# Altium PCB GATE_DRIVER_BOARD.PcbDoc
Units mm, origin at the board's own origin, x right, y up, seen from the top; angles counter-clockwise.
Board outline 75 x 80 mm, 2 copper layers (Top Layer, Bottom Layer), stack 0.871 mm thick; 67 components, 42 nets, 182 pads, 18 vias.
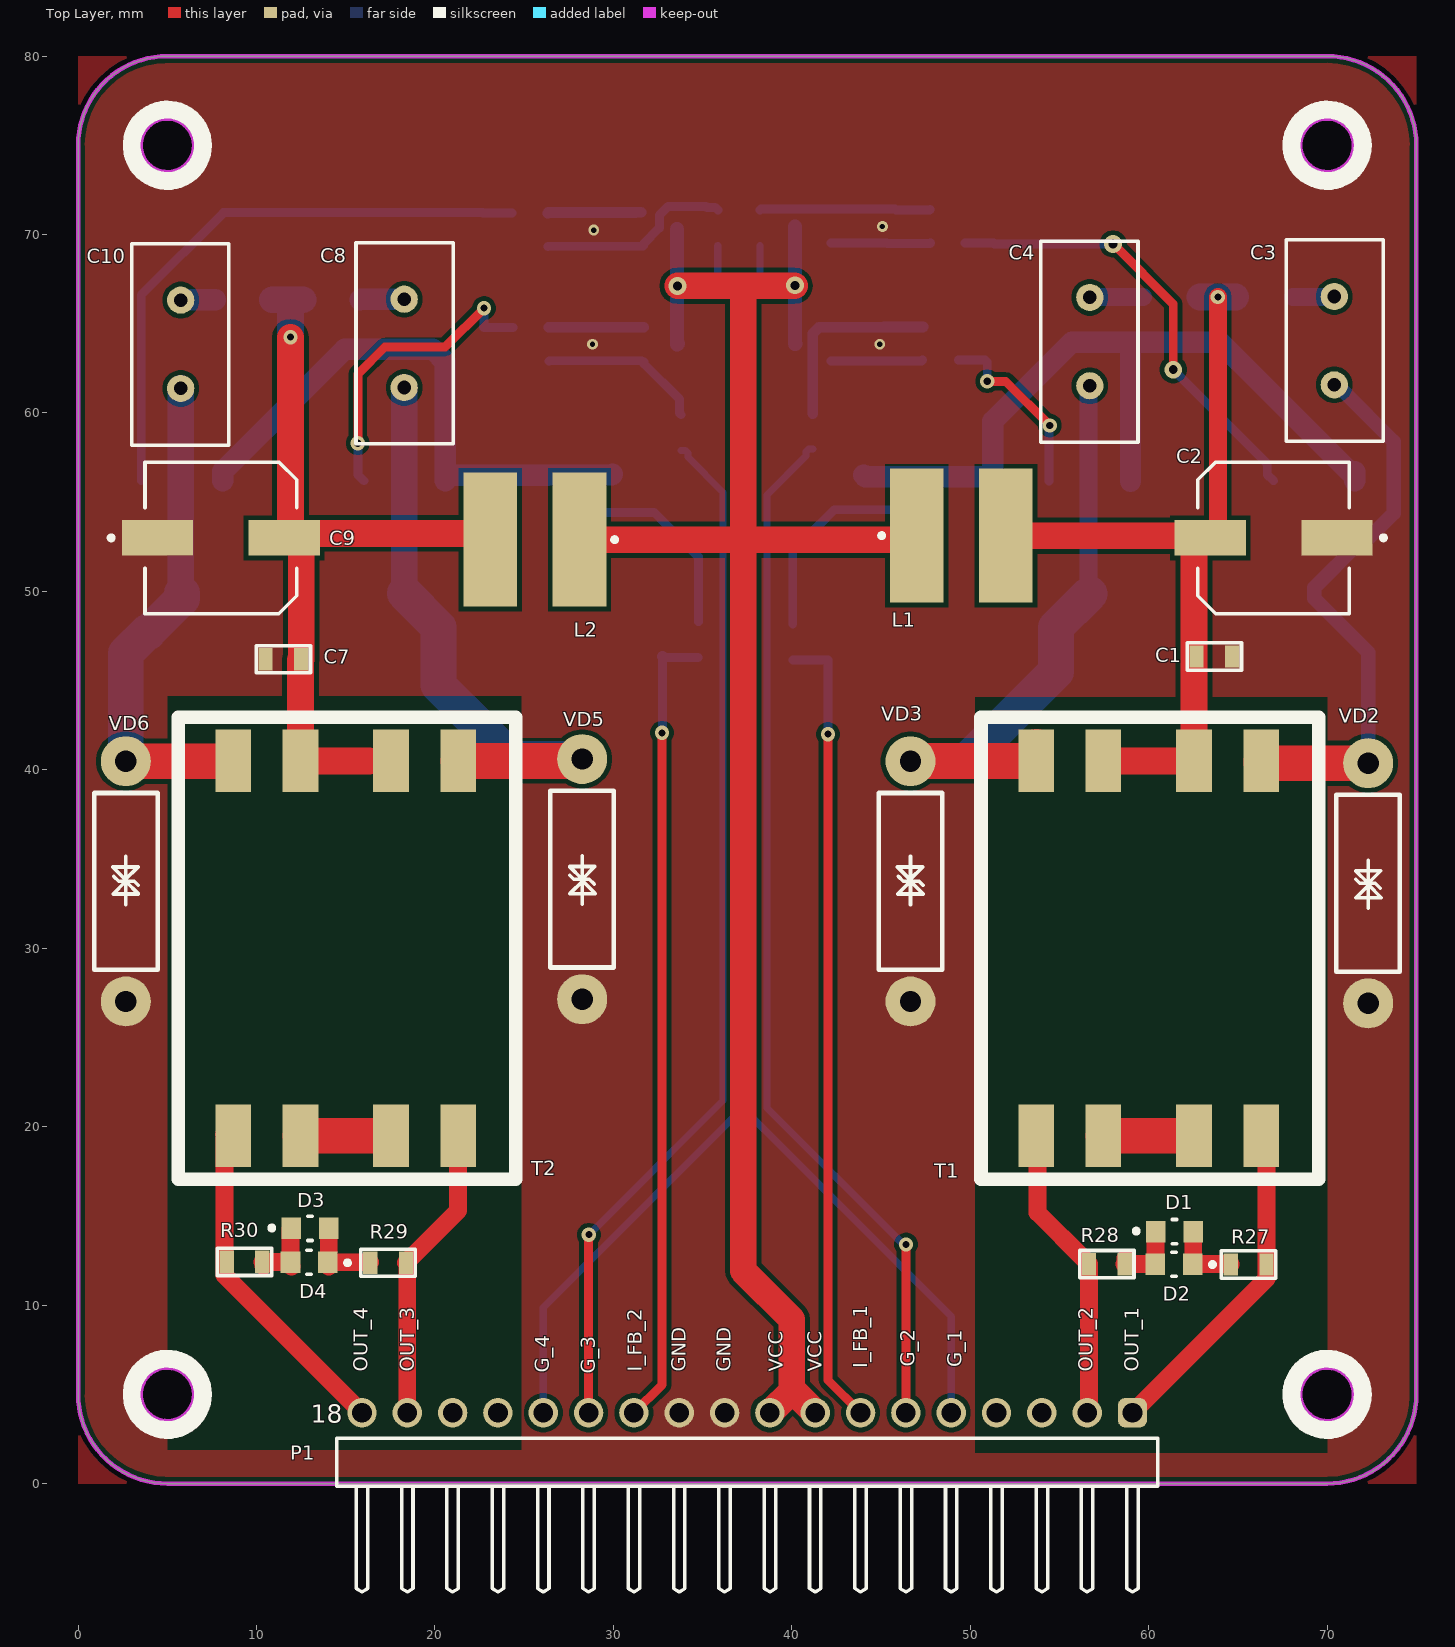
[diagram p0: Top Layer view]
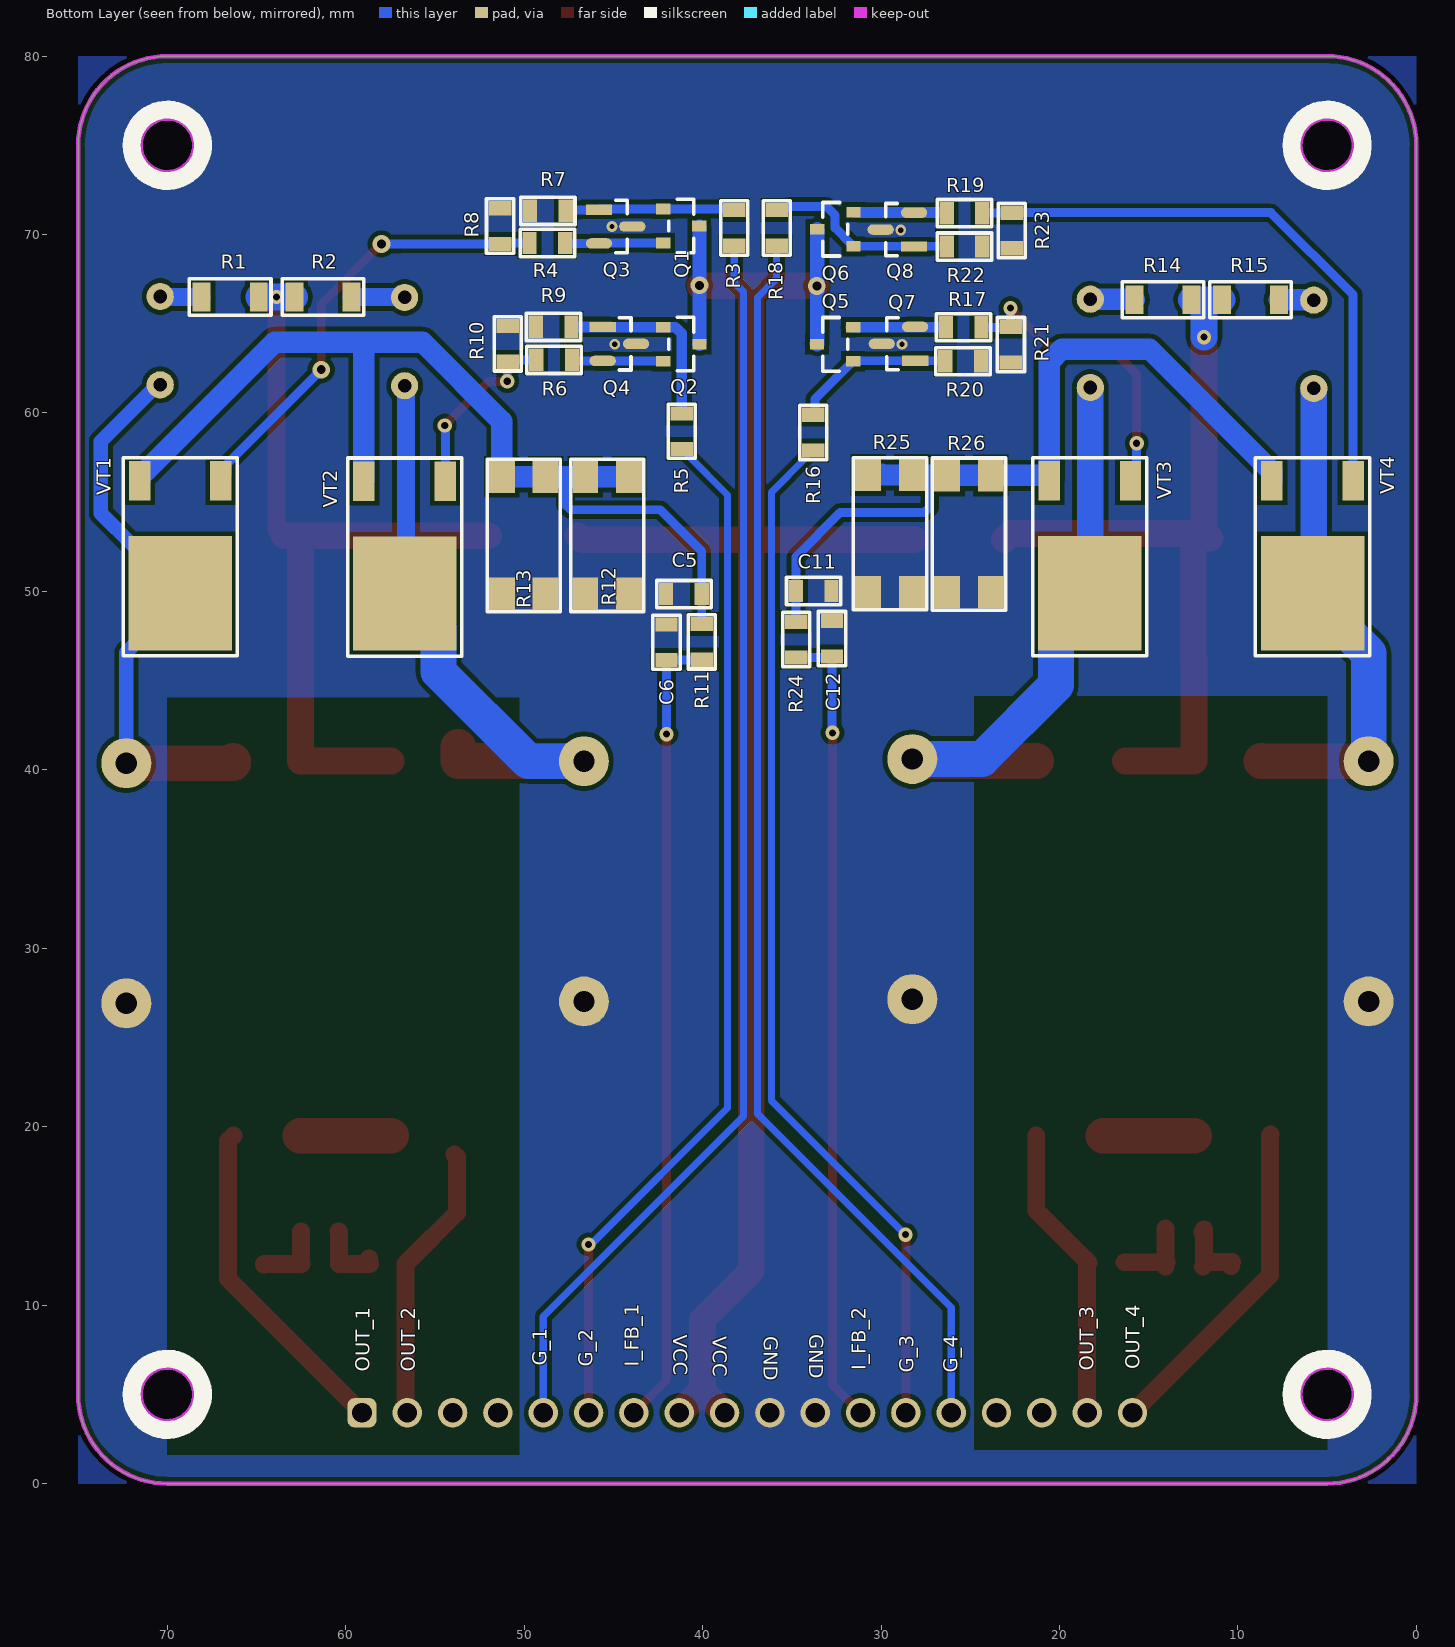
[diagram p1: Bottom Layer view, seen from below]
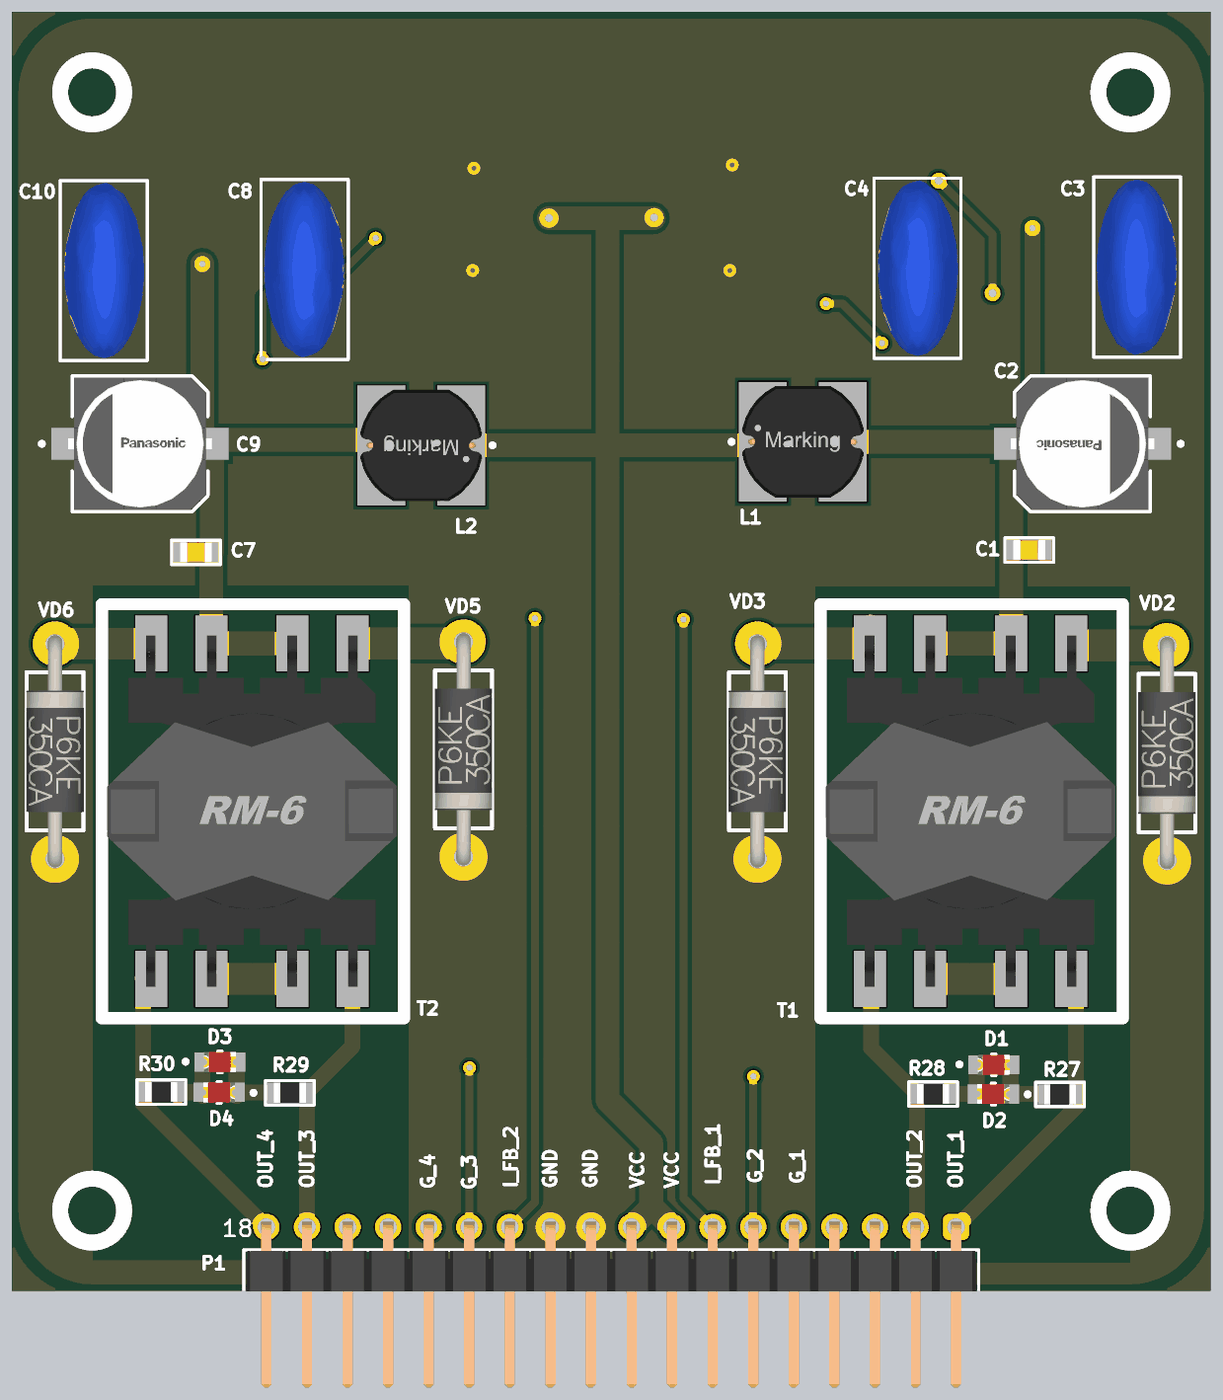
[diagram p2: 3D render of the assembled board from above, using the file's embedded part models]
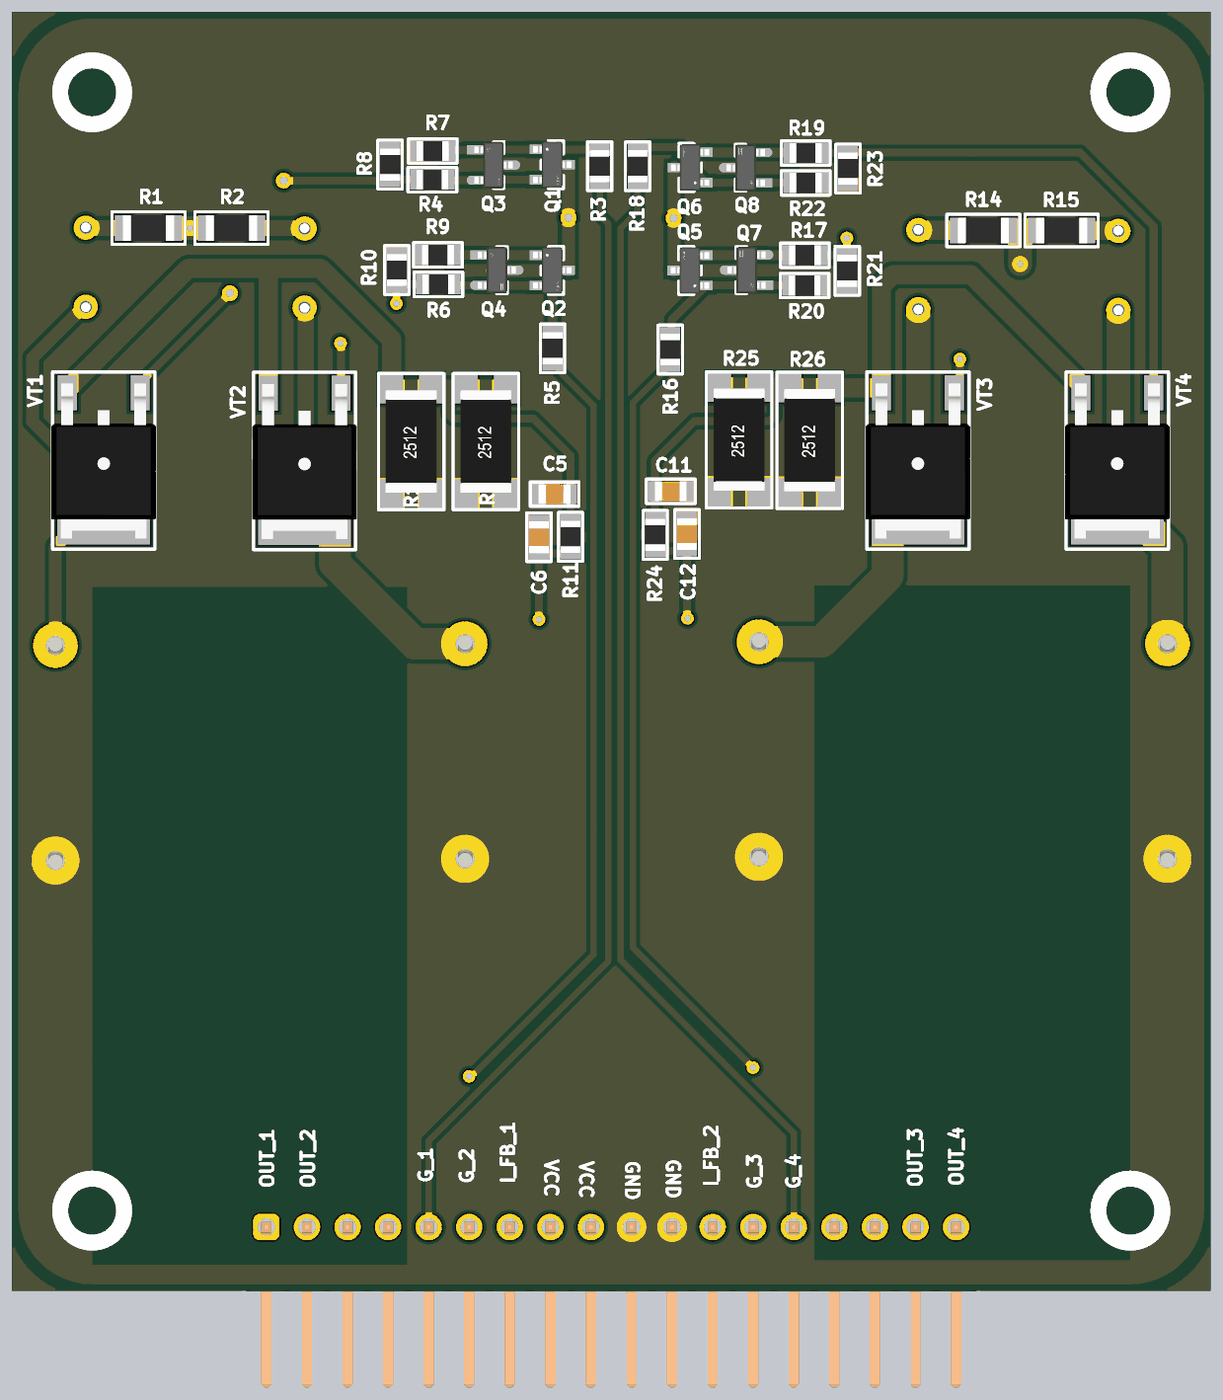
[diagram p3: 3D render of the assembled board from below, using the file's embedded part models]

## Layer stack, top to bottom
Top Solder: solder mask 0.0102, Solder Resist, Dk 3.5
Top Layer: signal copper 0.0356
Dielectric 1: dielectric 0.8, FR-4, Dk 4.8
Bottom Layer: signal copper 0.0356
Bottom Solder: solder mask 0.0102, Solder Resist, Dk 3.5

## Board outline
0,5 0,75 cw(c5,75) 5,80 70,80 cw(c70,75) 75,75 75,5 cw(c70,5) 70,0 5.025,0 5,0 cw(c5,5)
cut-out: 68.5,75 ccw(c70,75) 70,73.5 ccw(c70,75) 71.5,75 ccw(c70,75) 70,76.5 ccw(c70,75)
cut-out: 68.5,5 ccw(c70,5) 70,3.5 ccw(c70,5) 71.5,5 ccw(c70,5) 70,6.5 ccw(c70,5)
cut-out: 3.5,5 ccw(c5,5) 5,3.5 ccw(c5,5) 6.5,5 ccw(c5,5) 5,6.5 ccw(c5,5)
cut-out: 3.5,75 ccw(c5,75) 5,73.5 ccw(c5,75) 6.5,75 ccw(c5,75) 5,76.5 ccw(c5,75)

## Design rules (kind name [scope] priority, off if disabled: settings)
Clearance [All] p1: gap=0.254 ignorepadtopadclearanceinfootprint=FALSE except(0: Arc-Hole Track-Hole SMDPad-Hole THPad-Hole Via-Hole Fill-Hole Poly-Hole Region-Hole Text-Hole)
Height [All] p1: minheight=0 maxheight=101.6 prefheight=12.7
PlaneConnect [All] p1: planeconnectstyle=Direct reliefexpansion=0.508 reliefentries=4 reliefconductorwidth=0.254 reliefairgap=0.254
PolygonConnect [All] p1: connectstyle=Direct reliefconductorwidth=0.254 reliefentries=4 polygonreliefangle="90 Angle" airgapwidth=0.254
RoutingVias [All] p1: holewidth=0.711 width=1.27 viastyle="Through Hole" minholewidth=0.2 minwidth=0.5 maxholewidth=0.711 maxwidth=1.27
SolderMaskExpansion [All] p1: expansion=0.102 istentingtop=FALSE
Width [All] p1: maxlimit=3 minlimit=0.254 preferedwidth=1 minimp=50.000000 maximp=50.000000 favimp=50.000000
28 further rules are at their usual default settings.

## Components (designator, comment, footprint, x,y, rotation, side; value= is the part's Value field where it differs from the comment)
C1 "0.01uF" CAP-0805 63.675,46.35 r180 top
C2 "470uF_25V" CAP_SMD_Size_G 67,53 r180 top locked
C3 "CAP-V" CAP-V 70.4,64.05 r270 top
C4 "CAP-V" CAP-V 56.7,64 r90 top
C5 "0.47uF" CAP-0805 41.05,49.85 r180 bottom
C6 "470 pF" CAP-0805 42.025,47.15 r270 bottom
C7 "0.01uF" CAP-0805 11.5,46.2 r0 top
C8 "CAP-V" CAP-V 18.275,63.9 r270 top
C9 "470uF_25V" CAP_SMD_Size_G 8,53 r0 top locked
C10 "CAP-V" CAP-V 5.75,63.85 r90 top
C11 "0.47uF" CAP-0805 33.775,50.025 r0 bottom
C12 "470 pF" CAP-0805 32.75,47.35 r270 bottom
D1 "151031YS06000" LED_RED 61.45,14.125 r0 top
D2 "151031YS06000" LED_RED 61.425,12.3 r180 top
D3 "151031YS06000" LED_RED 13,14.3 r0 top
D4 "151031YS06000" LED_RED 12.95,12.4 r180 top
L1 "390µH, 0.38A" WE-PD2_7850 49.5,53.125 r0 top
L2 "390µH, 0.38A" WE-PD2_7850 25.6,52.9 r180 top
P1 "61301811021" 61301811021 37.5,1.2 r0 top locked
Q1 "SS8050-G" FP-SS8050-G-MFG 41.195,70.476 r180 bottom
Q2 "SS8050-G" FP-SS8050-G-MFG 41.191,63.854 r180 bottom
Q3 "MMSS8550-H-TP" FP-SOT-23-IPC_B 44.874,70.45 r180 bottom
Q4 "MMSS8550-H-TP" FP-SOT-23-IPC_B 44.665,63.87 r180 bottom
Q5 "SS8050-G" FP-SS8050-G-MFG 32.575,63.85 r0 bottom
Q6 "SS8050-G" FP-SS8050-G-MFG 32.559,70.296 r0 bottom
Q7 "MMSS8550-H-TP" FP-SOT-23-IPC_B 29.026,63.875 r0 bottom
Q8 "MMSS8550-H-TP" FP-SOT-23-IPC_B 29.085,70.28 r0 bottom
R1 "10 OMH" RES-1206 66.475,66.5 r0 bottom
R2 "10 OMH" RES-1206 61.275,66.5 r0 bottom
R3 "470" RES-0805 38.225,70.375 r270 bottom
R4 "10" RES-0805 48.7,69.525 r0 bottom
R5 "470" RES-0805 41.175,58.975 r270 bottom
R6 "10" RES-0805 48.325,62.975 r0 bottom
R7 "2K" RES-0805 48.675,71.325 r180 bottom
R8 "2K" RES-0805 51.35,70.475 r270 bottom
R9 "2K" RES-0805 48.35,64.825 r180 bottom
R10 "2K" RES-0805 50.925,63.875 r270 bottom
R11 "1K" RES-0805 40.05,47.175 r90 bottom
R12 "10 OMH" RES-2512 45.35,53.15 r90 bottom
R13 "10 OMH" RES-2512 50.025,53.15 r90 bottom
R14 "10 OMH" RES-1206 14.2,66.35 r0 bottom
R15 "10 OMH" RES-1206 9.3,66.35 r0 bottom
R16 "470" RES-0805 33.8,58.9 r270 bottom
R17 "10" RES-0805 25.375,64.8 r180 bottom
R18 "470" RES-0805 35.85,70.375 r270 bottom
R19 "10" RES-0805 25.325,71.2 r180 bottom
R20 "2K" RES-0805 25.4,62.9 r0 bottom
R21 "2K" RES-0805 22.725,63.825 r90 bottom
R22 "2K" RES-0805 25.325,69.325 r0 bottom
R23 "2K" RES-0805 22.675,70.225 r90 bottom
R24 "1K" RES-0805 34.75,47.3 r90 bottom
R25 "10 OMH" RES-2512 29.5,53.25 r90 bottom
R26 "10 OMH" RES-2512 25.075,53.225 r90 bottom
R27 "2K" RES-0805 65.6,12.275 r180 top
R28 "2K" RES-0805 57.65,12.3 r0 top
R29 "2K" RES-0805 17.375,12.375 r180 top
R30 "2K" RES-0805 9.325,12.425 r0 top
T1 "RM-6" TRANS_RM6 60,30 r270 top
T2 "RM-6" TRANS_RM6 15,30 r270 top
VD2 "Suppressor" P6KE350CA 72.3,33.644 r90 top
VD3 "Suppressor" P6KE350CA 46.65,33.75 r270 top
VD5 "Suppressor" P6KE350CA 28.25,33.875 r90 top
VD6 "Suppressor" P6KE350CA 2.675,33.75 r270 top
VT1 "MOSFET-N-GDS" TO-220-5 69.275,52 r0 bottom locked
VT2 "MOSFET-N-GDS" TO-220-5 56.7,51.975 r0 bottom locked
VT3 "MOSFET-N-GDS" TO-220-5 18.3,52 r0 bottom locked
VT4 "MOSFET-N-GDS" TO-220-5 5.82,52 r0 bottom locked

## Footprints (in the part's own frame and the unit in brackets; to place one, negate y for a bottom-side part, rotate by r counter-clockwise, add the part's x,y. Pads: shape width x height; smd on the part's side, far side on the other; paste and mask are expansions set on the pad)
61301811021 [mm] "Pin Header, pitch 2.54 mm, THT, Angled, single row, 18p"
  rrect50% 1.65x1.65 hole 1.1: 1(21.59,2.77)
  round 1.65 hole 1.1: 2(19.05,2.77) 3(16.51,2.77) 4(13.97,2.77) 5(11.43,2.77) 6(8.89,2.77) 7(6.35,2.77) 8(3.81,2.77) 9(1.27,2.77) 10(-1.27,2.77) 11(-3.81,2.77) 12(-6.35,2.77) 13(-8.89,2.77) 14(-11.43,2.77) 15(-13.97,2.77) 16(-16.51,2.77) 17(-19.05,2.77) 18(-21.59,2.77)
  silkscreen extent -23.01,-7.27 23.01,1.35, body extent -22.86,-7.27 22.86,3.09, height 2.58
CAP-0805 [mm]
  rect 0.8x1.25 smd mask+0.015: 1(-1,0) 2(1,0)
  silkscreen extent -1.52,-0.76 1.52,0.76, body extent -1,-0.62 1,0.63, height 0.8
CAP-V [mil]
  round 60 hole 30: 1(-97.44,0) 2(97.44,0)
  silkscreen extent -222,-106 221,108, body extent -216,-98 216,98, height 610
CAP_SMD_Size_G [mm]
  rect 4x2 smd paste+0 mask+0: 1(3.55,0) 2(-3.55,0)
  silkscreen extent -6.28,-4.25 4.25,4.25, body extent -5.8,-4.5 5.8,4.5, height 0.25
FP-SOT-23-IPC_B [mm]
  rect 1.474x0.585 smd paste+0 mask+0: 1(-0.935,0.95)
  rrect100% 1.474x0.585 smd paste+0 mask+0: 2(-0.935,-0.95) 3(0.935,0)
  silkscreen extent 0,-1.46 0.65,1.46, body extent -1.2,-1.46 1.2,1.46, height 1.25
FP-SS8050-G-MFG [mm]
  rect 0.8x0.6 smd paste+0 mask+0: 1(-1.01,0.95) 2(-1.01,-0.95) 3(1.01,0)
  silkscreen extent -0.7,-1.5 0.7,1.5, body extent -1.21,-1.45 1.21,1.45, height 1.15
LED_RED [mm]
  rect 1.1x1.2 smd paste+0 mask+0: 1(-1.05,0) 2(1.05,0)
  silkscreen extent -2.27,-0.67 0.13,0.67, body extent -1.7,-0.77 1.7,0.77, height 0.25
P6KE350CA [mm]
  round 2.8 hole 1.2: 1(-6.731,0) 2(6.731,0)
  silkscreen extent -4.95,-1.78 4.95,1.78, body extent -7.26,-1.8 7.26,1.8, height 6.9
RES-0805 [mm]
  rect 0.8x1.25 smd mask+0.015: 1(-1,0) 2(1,0)
  silkscreen extent -1.52,-0.76 1.52,0.76, body extent -1,-0.62 1,0.63, height 0.6
RES-1206 [mm]
  rect 1x1.6 smd: 1(-1.6,0) 2(1.6,0)
  silkscreen extent -2.29,-1.02 2.29,1.02, body extent -1.6,-0.8 1.6,0.8, height 0.6
RES-2512 [mm]
  rect 1.8x1.45 smd: 1(-3.275,-1.225) 1(-3.275,1.225) 2(3.275,-1.225) 2(3.275,1.225)
  silkscreen extent -4.28,-2.05 4.25,2.05, body extent -3.2,-1.6 3.2,1.6, height 0.6
TO-220-5 [mm]
  rect 1.2x2.2 smd: 1(-2.28,-4.2) 3(2.28,-4.2)
  rect 5.8x6.4 smd: 2(0,2.1)
  silkscreen extent -3.2,-5.5 3.2,5.6, body extent -3.29,-4.77 3.29,4.93, height 2.3
TRANS_RM6 [mm]
  rect 3.5x2 smd: 1(-10.5,6.3) 2(-10.5,2.54) 3(-10.5,-2.54) 4(-10.5,-6.3) 5(10.5,-6.3) 6(10.5,-2.54) 7(10.5,2.54) 8(10.5,6.3)
  silkscreen extent -12.95,-9.4 12.95,9.53, body extent -11,-9.08 11,9.08, height 12.68
WE-PD2_7850 [mm] "SMD Power Inductor, 2-Leads, body 7.8x7mm"
  rect 3x7.5 smd: 1(-2.5,0) 2(2.5,0)
  silkscreen extent -4.59,-0.12 -4.34,0.12, body extent -3.81,-3.5 3.81,3.5, height 4.95

## Part data
C1 C5 C6 C7 C11 C12: library part CAP-NON-POLAR
C2 C9: library part CAP-POLAR
D1 D2 D3 D4: library part LED, "WURTH ELEKTRONIK - 151031YS06000 - LED, Yellow, Through Hole, T-1 (3mm), 30 mA, 2 V, 590 nm", Manufacturer_Name="Wurth Elektronik", Mouser Part Number=710-151031YS06000, Datasheet Link=https://katalog.we-online.de/led/datasheet/151031YS06000.pdf, Geometry.Height=5.5mm, Manufacturer_Part_Number=151031YS06000, Mouser Price/Stock=https://www.mouser.co.uk/ProductDetail/Wurth-Elektronik/151031YS06000?qs=LlUlMxKIyB3xSYYW%252BcuBiQ%3D%3D
L1 L2: library part 744775239, "WE-PD2 SMT Power Inductor, size 7850, 390µH, 0.38A, 1.77Ω", Case/Size Code=7850, DC Resistance=1.151Ω, DC Resistance Max=1.77Ω, Inductance=390µH, Manufacturer="Wurth Elektronik", Operating Temperature Max=125°C, Operating Temperature Min=-40°C, Rated Current=0.38A, Saturation Current=0.43A, Self Resonant Frequency=3.9MHz, Category="Unshielded Power Inductors", ComponentLink1Description="Website Link", ComponentLink1URL=https://www.we-online.com/redexpert/article/744775239?ad, ComponentLink2Description="Datasheet Link", ComponentLink2URL=https://www.we-online.com/redexpert/spec/744775239?ad, Height=4.95mm, Length=7.8mm, Manufacturer Part Number=744775239, Match Code=WE-PD2, Mount="Surface Mount", Packaging="Tape and Reel", Width=7mm, Simulation ModelName=7850_744775239_390u, Simulation ModelText=".subckt 7850_744775239_390u 1 2 / Rp 1 2 180000 / Cp 1 2 5p / Rs 1 N3 1.151 / L1 N3 2 390u / .ends 7850_744775239_390u", Simulation PortMap=(1:1),(2:2)
P1: "WR-PHD Pin Header, THT, Angled, pitch 2.54mm, 1 Row, 18P", Contact Resistance=20mΩ, Manufacturer="Wurth Elektronik", Operating Temperature Max=105°C, Operating Temperature Min=-40°C, Rated Current=3A, Withstanding Voltage=500V, Working Voltage=250V, Category="Board-to-Board Connectors", ComponentLink1Description="Website Link", ComponentLink1URL=https://www.we-online.com/redexpert/article/61301811021?ad, ComponentLink2Description="Datasheet Link", ComponentLink2URL=https://www.we-online.com/redexpert/spec/61301811021?ad, Gender="Pin Header", Manufacturer Part Number=61301811021, Match Code=WR-PHD, Mount="Through Hole", Number of Pins=18, Number of Rows=1, Orientation=Angled, Packaging=Bag, Pitch=2.54mm
Q1 Q2 Q5 Q6: library part CMP-20235-000001-1, "NPN TRANSISTOR 1.5A 40V SOT-23 R", Case/Package=TO-236-3, Collector Emitter Breakdown Voltage=25V, Collector Emitter Voltage (VCEO)=400mV, Max Collector Current=1.5A, Max Power Dissipation=300mW, Transition Frequency=100MHz, Max Breakdown Voltage=25V, Mount="Surface Mount", Packaging="Tape and Reel", RoHS Compliant=Yes
Q3 Q4 Q7 Q8: library part CMP-56214-000002-1, "TRANS PNP 25V 1.5A SOT23", Case/Package=SOT-23, Collector Base Voltage (VCBO)=40V, Collector Emitter Breakdown Voltage=25V, Collector Emitter Saturation Voltage=500mV, Emitter Base Voltage (VEBO)=1.6V, Max Collector Current=1.5A, Max Operating Temperature=150°C, Max Power Dissipation=625mW, Min Operating Temperature=-55°C, Package Quantity=1, Transition Frequency=100MHz, Collector Emitter Voltage (VCEO)=500mV, Element Configuration=Single, Gain Bandwidth Product=100MHz, hFE Min=40, Lead Free="Lead Free", Max Breakdown Voltage=25V, Mount="Surface Mount", Packaging="Tape and Reel", Polarity=PNP
R1 R2 R3 R4 R5 R6 R7 R8 R9 R10 R11 R12 R13 R14 R15 R16 R17 R18 R19 R20 R21 R22 R23 R24 R25 R26: library part RES-CONST
R27 R28 R29 R30: library part RES-CONST, "10K"
T1 T2: library part RM_6_12-12-18-18

## Via types
v1: diameter 0.8, hole 0.4, Top Layer to Bottom Layer, 10 vias
v2: diameter 1, hole 0.5, Top Layer to Bottom Layer, 4 vias
v3: diameter 0.6, hole 0.3, Top Layer to Bottom Layer, 4 vias

## Nets (pads, with @x,y where several pads share a name; then routed paths per layer and width w, separated by ;. In a path a pad name is that pad's centre, name@x,y a point inside that pad or via, vN(x,y) a via of type N, cw(c..) or ccw(c..) an arc to the next point about the centre after c; other vN are vias at no path point)
GND: C1.1 C2.2 C5.1 C6.1 C7.1 C9.2 C11.1 C12.1 P1.10 P1.11 Q3.3 Q4.3 Q7.3 Q8.3 R7.1 R8.1 R9.1 R10.1 R12.1 R13.1 R20.1 R21.1 R22.1 R23.1 R25.1 R26.1 VD2.1 VD3.2 VD5.1 VD6.2
  other v3: 28.825,63.85 44.925,63.85 28.9,70.25 45.075,70.45
NetC3_1: C3.1 R1.2 | length 2.3
  Bottom Layer w1: R1.2 70.375,66.5 C3.1
NetC3_2: C3.2 T1.1 VD2.2 VT1.2 | length 32
  Top Layer w2: T1.1 66.3,40.375 VD2.2
  Bottom Layer w0.8: C3.2@70.4,61.475 70.642,61.475 70.804,61.313 70.812,61.313 73.725,58.4 73.725,54.375 71.95,52.6 71.675,52.6 69.275,50.2 VT1.2 69.275,49.6 72.3,46.575 VD2.2
NetC4_1: C4.1 T1.4 VD3.1 VT2.2 | length 34.8
  Top Layer w2: VD3.1 46.669,40.5 T1.4 ; T1.4@53.7,40.706 T1.4@53.7,41.3
  Bottom Layer w1: C4.1@56.625,61.625 56.625,49.9 VT2.2@56.675,49.85
  Bottom Layer w2: VD3.1 49.781,40.481 54.8,45.5 54.8,47.975 VT2.2
NetC4_2: C4.2 R2.1 | length 3
  Bottom Layer w1: C4.2 56.725,66.5 R2.1
NetC5_2: C5.2 R11.2 R12.2 R13.2 VT1.3 VT2.3 | length 58.2
  Bottom Layer w0.5: R11.2 40.05,49.013 C5.2 40.05,52.25 42.375,54.575 47.395,54.575 47.688,54.868 47.688,56.425
  Bottom Layer w1.2: R12.2@44.025,56.525 44.125,56.425 46.575,56.425 47.688,56.425 48.8,56.425 51.25,56.425 51.25,59.525 55.7,63.975 58.98,63.975 ; VT2.3 58.98,63.975 ; VT1.3 71.555,56.7 71.255,56.7 63.98,63.975 58.98,63.975
NetC6_2: C6.2 P1.7 R11.1 | length 44.9
  Top Layer w0.5: v1(42.025,42) 42.025,5.795 P1.7
  Bottom Layer w0.5: R11.1@40.075,46.15 C6.2 v1@42.025,42
NetC8_1: C8.1 R14.2 | length 2.5
  Bottom Layer w1.2: R14.2 15.825,66.375 C8.1
NetC8_2: C8.2 T2.1 VD5.2 VT3.2 | length 34.4
  Top Layer w2: T2.1 28.231,40.5 VD5.2@28.375,40.356
  Bottom Layer w1: VT3.2@18.275,49.925 VT3.2
  Bottom Layer w1.5: VT3.2@18.275,49.925 C8.2
  Bottom Layer w2: VT3.2 20.2,48 20.2,44.75 24.344,40.606 VD5.2
NetC10_1: C10.1 T2.4 VD6.1 VT4.2 | length 28.4
  Top Layer w2: VD6.1 8.7,40.481 T2.4
  Bottom Layer w1.5: VT4.2@5.75,49.97 C10.1
  Bottom Layer w2: VD6.1@2.675,40.312 2.675,46.528 3.847,47.7 3.92,47.7 5.82,49.6 VT4.2
NetC10_2: C10.2 R15.1 | length 2
  Bottom Layer w1: C10.2 C10.2@5.775,66.35
  Bottom Layer w1.2: C10.2@5.775,66.35 R15.1
NetC11_2: C11.2 R24.2 R25.2 R26.2 VT3.3 VT4.3 | length 46.5
  Bottom Layer w0.5: 27.3,56.525 27.275,56.5 27.275,54.725 27.575,54.425 32.275,54.425 34.775,51.925 C11.2 ; R24.2@34.763,48.312 C11.2@34.763,50.012
  Bottom Layer w1.2: VT4.3 8.1,56.725 14.955,63.58 19.877,63.58 20.58,62.877 VT3.3 20.58,56.5 23.85,56.5 R26.2@26.3,56.5 ; R26.2@26.325,56.525 27.3,56.525 28.275,56.525 29.9,56.525 29.95,56.575
NetC12_2: C12.2 P1.12 R24.1 | length 45.1
  Top Layer w0.5: P1.12 32.725,5.545 v1(32.725,42.075)
  Bottom Layer w0.5: v1(32.725,42.075) 32.75,42.1 C12.2 ; C12.2@32.8,46.3 R24.1
  Bottom Layer w0.6: C12.2 C12.2@32.8,46.3
NetD1_1: D1.1 D2.2 R28.2 | length 3.6
  Top Layer w1: R28.2 D2.2 60.375,14.1 D1.1
NetD1_2: D1.2 D2.1 R27.2 | length 4
  Top Layer w1: D1.2 62.5,12.325 D2.1 64.575,12.3 R27.2
NetD3_1: D3.1 D4.2 R30.2 | length 3.5
  Top Layer w1: R30.2@10.338,12.413 D4.2@11.887,12.413 ; R30.2@10.375,12.2 R30.2@10.388,12.188 ; D4.2 D3.1@11.9,14.25 ; D4.2@11.937,12.188 D4.2@11.95,12.175 ; D3.1@11.95,14.025 D3.1@12,14.075
NetD3_2: D3.2 D4.1 R29.2 | length 4.3
  Top Layer w1: D4.1 R29.2@16.35,12.4 ; D4.1@14.05,12.175 D4.1@14.1,12.225 ; D4.1@14.05,12.45 D3.2
NetP1_1: P1.1 R27.1 T1.8 | length 18.8
  Top Layer w1: P1.1 66.6,11.48 R27.1 66.6,19.2 T1.8
NetP1_2: P1.2 R28.1 T1.5 | length 15.8
  Top Layer w1: T1.5@53.921,18.446 53.775,18.3 53.775,15.175 56.425,12.525 56.45,12.525 56.55,12.425 56.55,12.4 R28.1 56.65,4.07 P1.2
NetP1_5: P1.5 R3.2 | length 70.3
  Bottom Layer w0.4: R3.2 38.225,67.3 37.7,66.775 37.7,20.6 48.93,9.37 P1.5
NetP1_6: P1.6 R5.2 | length 58.5
  Top Layer w0.5: P1.6 46.39,13.39 v1(46.4,13.4)
  Bottom Layer w0.4: R5.2 40.95,57.975 40.8,57.825 40.8,57.6 38.6,55.4 38.6,21.05 46.1,13.55 46.169,13.55 46.319,13.4 v1(46.4,13.4)
NetP1_13: P1.13 R16.2 | length 58.2
  Top Layer w0.5: P1.13 28.61,13.935 v1(28.625,13.95)
  Bottom Layer w0.4: v1(28.625,13.95) 36.15,21.475 36.15,55.55 34.175,57.525 34.175,57.75 34.025,57.9 R16.2
NetP1_14: P1.14 R18.2 | length 70.3
  Bottom Layer w0.4: P1.14 26.07,9.87 36.925,20.725 36.925,66.475 35.85,67.55 R18.2
NetP1_17: P1.17 R29.1 T2.8 | length 16.8
  Top Layer w1: R29.1 18.475,12.475 18.475,12.5 18.575,12.6 18.6,12.6 21.3,15.3 T2.8 ; P1.17 R29.1@18.45,12.375
NetP1_18: P1.18 R30.1 T2.5 | length 18.8
  Top Layer w1: T2.5@8.165,19.56 8.2,19.525 8.2,17.664 8.2,11.68 P1.18
NetQ1_1: Q1.1 Q3.1 R3.1 R7.2 | length 9.6
  Bottom Layer w0.5: R3.1 38.275,71.426 Q1.1 45.774,71.426 45.825,71.375 47.725,71.375 R7.2@47.75,71.4
NetQ1_2: Q1.2 Q3.2 R4.1 | length 5.6
  Bottom Layer w0.5: Q1.2 45.316,69.526 45.341,69.5 Q3.2 47.75,69.5 R4.1@47.775,69.525
NetQ2_1: Q2.1 Q4.1 R5.1 R9.2 | length 10.8
  Bottom Layer w0.6: R5.1 41.175,64.453 41.526,64.804 45.155,64.804 45.171,64.82 Q4.1 47.345,64.82 R9.2
NetQ2_2: Q2.2 Q4.2 R6.1 | length 5.2
  Bottom Layer w0.5: Q2.2 45.585,62.904 Q4.2 47.27,62.92 R6.1
NetQ5_1: Q5.1 Q7.1 R16.1 R20.2 | length 9.2
  Bottom Layer w0.5: R20.2 26.425,62.925 Q7.1 Q5.1@31.565,62.925 ; Q5.1 31.665,62.9 31.715,62.85 31.715,62.75 33.708,60.757 33.708,59.992 R16.1
NetQ5_2: Q5.2 Q7.2 R17.1 | length 5.3
  Bottom Layer w0.6: R17.1 Q5.2@31.418,64.8 ; Q5.2@31.419,64.799 Q5.2@31.695,64.799
NetQ6_1: Q6.1 Q8.1 R18.1 R22.2 | length 11
  Bottom Layer w0.5: R22.2 26.346,69.346 28.15,69.346 31.649,69.346 31.699,69.396 31.699,69.496 32.575,70.372 32.575,71.075 33.075,71.575 35.182,71.575 35.232,71.525 35.7,71.525 R18.1
NetQ6_2: Q6.2 Q8.2 R19.1 | length 5.2
  Bottom Layer w0.6: R19.1 26.355,71.23 Q8.2 31.258,71.23 31.273,71.246 Q6.2
NetR4_2: R4.2 R8.2 VT1.1 | length 25.3
  Top Layer w0.5: v2(58.003,69.472) 61.375,66.1 v2(61.375,62.425)
  Bottom Layer w0.5: R4.2 51.3,69.525 R8.2 56.919,69.475 56.922,69.472 v2(58.003,69.472) ; v2(61.375,62.425) 66.645,57.155 66.645,56.55 VT1.1
NetR6_2: R6.2 R10.2 VT2.1 | length 10.4
  Top Layer w0.5: v1(50.95,61.775) 51.975,61.775 v1(54.45,59.3)
  Bottom Layer w0.5: R6.2 50.825,62.975 R10.2 50.95,62.85 v1(50.95,61.775) ; VT2.1 54.42,59.27 v1(54.45,59.3)
NetR17_2: R17.2 R21.2 VT3.1 | length 17.4
  Top Layer w0.5: v1(15.675,58.3) 15.675,62.175 17.2,63.7 20.575,63.7 v1(22.75,65.875)
  Bottom Layer w0.5: v1(15.675,58.3) 15.675,56.545 VT3.1 ; v1(22.75,65.875) 22.738,65.863 22.738,64.837 R21.2 22.75,64.8 R17.2
NetR19_2: R19.2 R23.2 VT4.1 | length 33.1
  Bottom Layer w0.5: VT4.1 3.54,66.615 8.15,71.225 R23.2 22.7,71.2 R19.2
NetT1_6: T1.6 T1.7 | length 5.1
  Top Layer w2: T1.6 T1.7
NetT2_6: T2.6 T2.7 | length 5.1
  Top Layer w2: T2.6 T2.7
VCC: L1.1 L2.1 P1.8 P1.9 Q1.3 Q2.3 Q5.3 Q6.3 | length 105.1
  Top Layer w1.5: L2.1 37.275,52.9 ; v2(33.6,67.125) v2@40.151,67.125 ; 37.275,67.075 37.275,52.9 ; P1.9 40,5.2 40,9.2 37.275,11.925 37.275,52.9 ; 40.05,5.23 P1.8 ; L1.1 46.775,52.9 37.275,52.9
  Bottom Layer w0.8: Q5.3@33.569,63.85 Q6.3 ; Q5.3 Q5.3@33.611,63.876 ; Q1.3@40.181,70.429 v2(40.181,67.155) 40.181,63.88 Q2.3@40.185,63.876
VCC_1: C1.2 C2.1 L1.2 R1.1 R2.2 T1.2 T1.3 | length 44.5
  Top Layer w1: C2.1 63.875,53.425 v1(63.875,66.5)
  Top Layer w1.5: L1.2 C2.1@63.45,53.125 ; T1.3 T1.2 C2.1@62.54,52.75
  Bottom Layer w1.5: R2.2 v1(63.875,66.5) R1.1
VCC_2: C7.2 C9.1 L2.2 R14.1 R15.2 T2.2 T2.3 | length 42.7
  Top Layer w1.5: C9.1 C9.1@11.9,53.35 ; C9.1@11.9,53.25 v1(11.9,64.25) ; 16.296,40.5 T2.3 12.46,46.16 C7.2 12.5,53.25 22.75,53.25 L2.2
  Bottom Layer w1.5: R15.2 11.95,66.35 ; v1(11.9,64.25) 11.9,66.3 11.95,66.35 ; R14.1 11.95,66.35
pads on no net: P1.3 P1.4 P1.15 P1.16

## Polygon pours and split planes (outlines as drawn)
GND on Bottom Layer "NONET_L-01_P-001" (solid, pour order 0): 0,0 0,80 75,80 75,0
GND on Top Layer "NONET_L-01_P-001" (solid, pour order 1): 0,0 0,80 75,80 75,0

## Keep-outs
Keep-Out Layer:
  circle w0.254: c5,75 r1.5
  circle w0.254: c70,75 r1.5
  circle w0.254: c70,5 r1.5
  circle w0.254: c5,5 r1.5
  lines w0.254: 5,0 cw(c5,5) 0,5 0,75 cw(c5,75) 5,80 70,80 cw(c70,75) 75,75 75,5 cw(c70,5) 70,0 5.025,0

## Other copper
Top Layer:
  pour cut-out: 50.275,44.062 50.275,1.725 70,1.725 70,44.062
  pour cut-out: 5.025,44.125 5.025,1.9 24.825,1.9 24.825,44.125
Bottom Layer:
  pour cut-out: 50.275,44.05 50.275,1.625 70,1.625 70,44.05
  pour cut-out: 5,44.125 5,1.9 24.775,1.9 24.775,44.125

## Silkscreen, mask and mechanical layers (free items; w line width, h text height)
Top Overlay:
  circle w1: c5,5 r2
  circle w1: c5,75 r2
  circle w1: c70,5 r2
  circle w1: c70,75 r2
  text "G_2" at 46.888,6.554 h0.8 r90
  text "G_1" at 49.513,6.529 h0.8 r90
  text "I_FB_1" at 44.238,6.454 h0.8 r90
  text "I_FB_2" at 31.588,6.279 h0.8 r90
  text "OUT_4" at 16.238,6.254 h0.8 r90
  text "OUT_3" at 18.838,6.254 h0.8 r90
  text "GND" at 34.051,6.254 h0.8 r90
  text "GND" at 36.565,6.254 h0.8 r90
  text "VCC" at 39.502,6.254 h0.8 r90
  text "VCC" at 41.671,6.254 h0.8 r90
  text "OUT_2" at 56.863,6.254 h0.8 r90
  text "OUT_1" at 59.438,6.254 h0.8 r90
  text "G_4" at 26.413,6.204 h0.8 r90
  text "G_3" at 28.988,6.154 h0.8 r90
Bottom Overlay:
  circle w1: c70,75 r2
  circle w1: c5,5 r2
  circle w1: c70,5 r2
  circle w1: c5,75 r2
  text "GND" at 34.021,8.371 h0.8 r90
  text "VCC" at 41.646,8.346 h0.8 r90
  text "GND" at 36.571,8.271 h0.8 r90
  text "VCC" at 39.446,8.246 h0.8 r90
  text "G_1" at 48.737,6.604 h0.8 r270
  text "I_FB_1" at 43.587,6.554 h0.8 r270
  text "G_2" at 46.162,6.554 h0.8 r270
  text "OUT_4" at 15.512,6.404 h0.8 r270
  text "I_FB_2" at 30.862,6.354 h0.8 r270
  text "OUT_3" at 18.087,6.329 h0.8 r270
  text "OUT_2" at 56.112,6.279 h0.8 r270
  text "OUT_1" at 58.662,6.279 h0.8 r270
  text "G_4" at 25.712,6.204 h0.8 r270
  text "G_3" at 28.162,6.204 h0.8 r270
Top 3D Body:
  region: 49.387,3.185 49.524,3.094 49.615,2.958 49.647,2.797 49.639,1.972 49.647,1.972 49.615,1.811 49.524,1.674 49.387,1.583 49.226,1.551 48.401,1.559 48.401,1.551 48.24,1.583 48.104,1.674 48.013,1.811 47.981,1.972 47.989,2.797 47.981,2.797 48.013,2.958 48.104,3.094 48.24,3.185 48.401,3.217 48.401,3.209 49.226,3.209 49.226,3.217
Bottom 3D Body:
  circle w0.013: c38.654,2.384 r0.825
  circle w0.013: c36.114,2.384 r0.825
  circle w0.013: c41.194,2.384 r0.825
  circle w0.013: c33.574,2.384 r0.825
  circle w0.013: c43.734,2.384 r0.825
  circle w0.013: c10.714,2.384 r0.825
  circle w0.013: c8.174,2.384 r0.825
  circle w0.013: c5.634,2.384 r0.825
  circle w0.013: c46.274,2.384 r0.825
  circle w0.013: c18.334,2.384 r0.825
  circle w0.013: c20.874,2.384 r0.825
  circle w0.013: c28.494,2.384 r0.825
  circle w0.013: c13.254,2.384 r0.825
  circle w0.013: c25.954,2.384 r0.825
  circle w0.013: c23.414,2.384 r0.825
  circle w0.013: c31.034,2.384 r0.825
  circle w0.013: c15.794,2.384 r0.825
  circle w0.013: c13.254,2.384 r0.825
  circle w0.013: c15.794,2.384 r0.825
  circle w0.013: c18.334,2.384 r0.825
  circle w0.013: c20.874,2.384 r0.825
  circle w0.013: c23.414,2.384 r0.825
  circle w0.013: c25.954,2.384 r0.825
  circle w0.013: c28.494,2.384 r0.825
  circle w0.013: c31.034,2.384 r0.825
  circle w0.013: c33.574,2.384 r0.825
  circle w0.013: c43.734,2.384 r0.825
  circle w0.013: c46.274,2.384 r0.825
  circle w0.013: c41.194,2.384 r0.825
  circle w0.013: c38.654,2.384 r0.825
  circle w0.013: c36.114,2.384 r0.825
  circle w0.013: c10.714,2.384 r0.825
  circle w0.013: c8.174,2.384 r0.825
  circle w0.013: c5.634,2.384 r0.825
  region: 49.387,3.185 49.524,3.094 49.615,2.958 49.647,2.797 49.639,1.972 49.647,1.972 49.615,1.811 49.524,1.674 49.387,1.583 49.226,1.551 48.401,1.559 48.401,1.551 48.24,1.583 48.104,1.674 48.013,1.811 47.981,1.972 47.989,2.797 47.981,2.797 48.013,2.958 48.104,3.094 48.24,3.185 48.401,3.217 48.401,3.209 49.226,3.209 49.226,3.217
Top Assembly:
  lines w0.013: -2.5,-0.009 -2.5,54.991 57.5,54.991 57.5,-0.009 -2.5,-0.009
Bottom Assembly:
  circle w0.013: c13.254,2.384 r0.825
  circle w0.013: c15.794,2.384 r0.825
  circle w0.013: c18.334,2.384 r0.825
  circle w0.013: c20.874,2.384 r0.825
  circle w0.013: c23.414,2.384 r0.825
  circle w0.013: c25.954,2.384 r0.825
  circle w0.013: c28.494,2.384 r0.825
  circle w0.013: c31.034,2.384 r0.825
  circle w0.013: c33.574,2.384 r0.825
  circle w0.013: c43.734,2.384 r0.825
  circle w0.013: c46.274,2.384 r0.825
  circle w0.013: c41.194,2.384 r0.825
  circle w0.013: c38.654,2.384 r0.825
  circle w0.013: c36.114,2.384 r0.825
  circle w0.013: c10.714,2.384 r0.825
  circle w0.013: c8.174,2.384 r0.825
  circle w0.013: c5.634,2.384 r0.825
  region: 49.387,3.185 49.524,3.094 49.615,2.958 49.647,2.797 49.639,1.972 49.647,1.972 49.615,1.811 49.524,1.674 49.387,1.583 49.226,1.551 48.401,1.559 48.401,1.551 48.24,1.583 48.104,1.674 48.013,1.811 47.981,1.972 47.989,2.797 47.981,2.797 48.013,2.958 48.104,3.094 48.24,3.185 48.401,3.217 48.401,3.209 49.226,3.209 49.226,3.217

## Text inside footprints (layer, text, board x,y; h text height)
P1: Top Overlay "18" at 13.04,3.4 h1.02